# KiCad board srvant-mk2.kicad_pcb (continued)
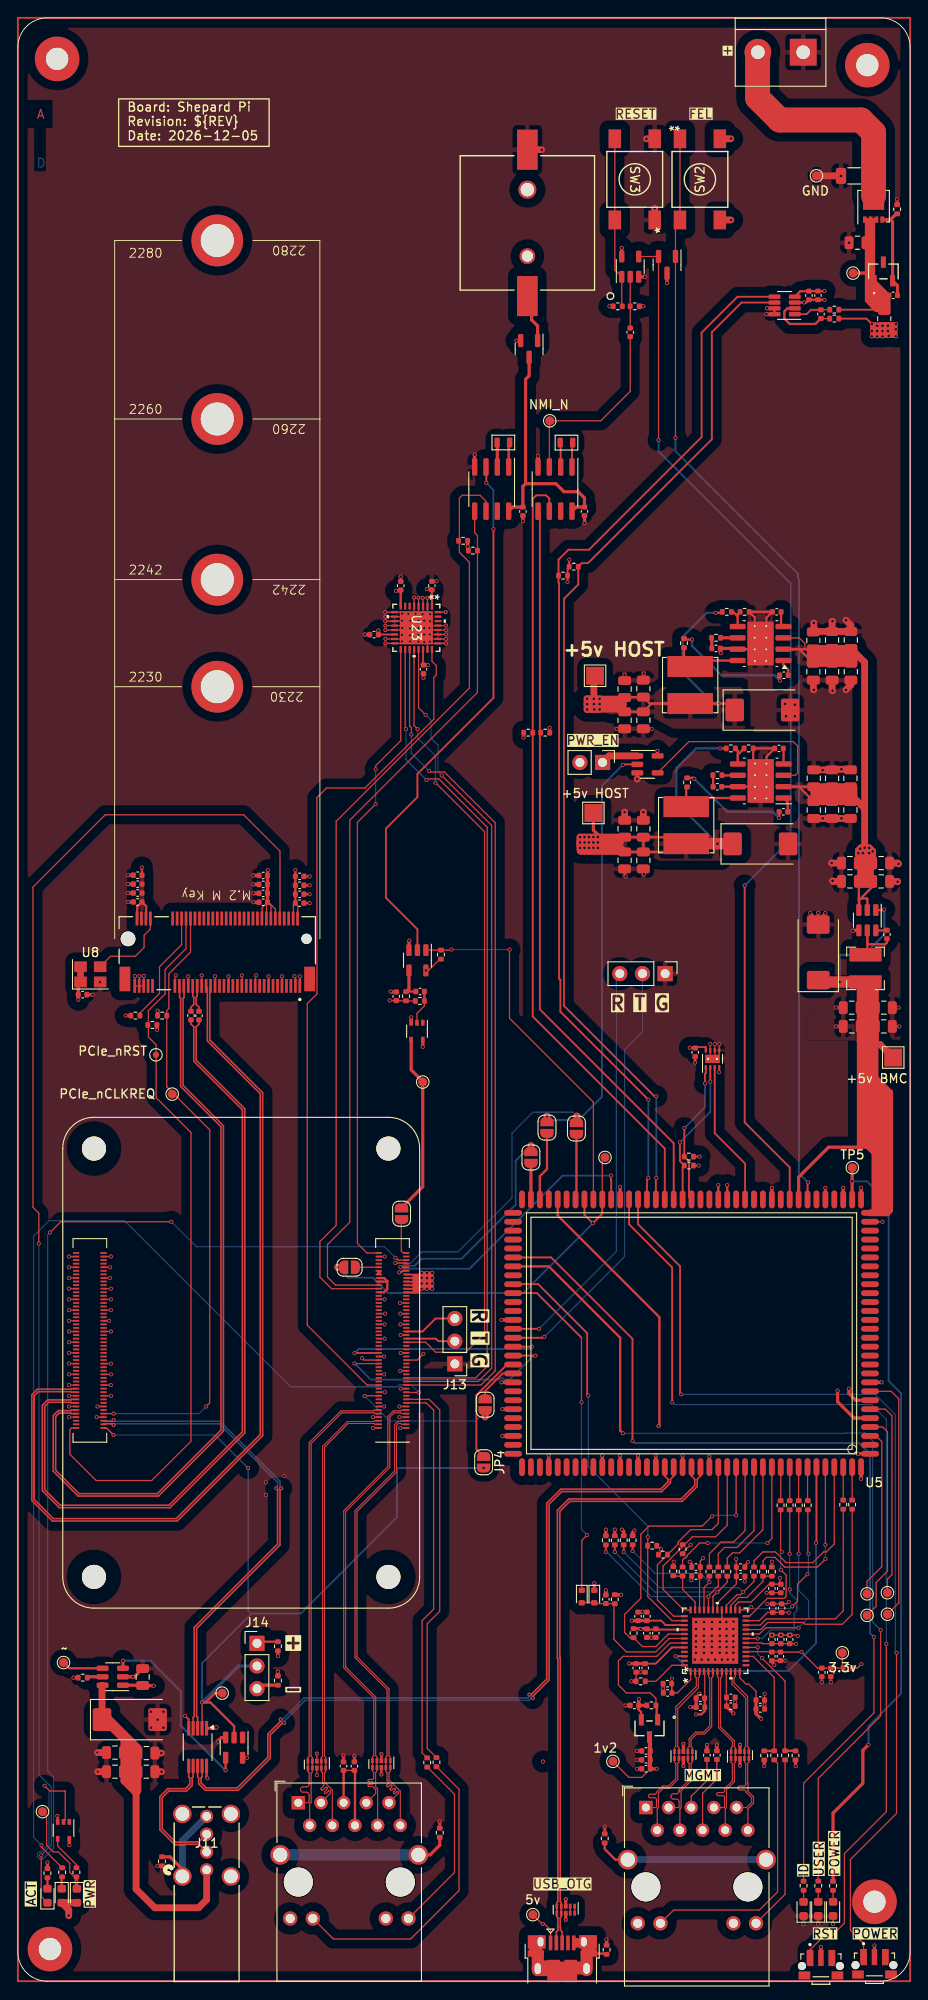
[diagram p0: board, top side]
## Nets (continued)
/bmc/BMC_ID_LED: R14.2 U5.73
/bmc/BMC_SPI1_CLK: U5.68
/bmc/BMC_SPI1_CS: U5.67
/bmc/BMC_SPI1_MISO: U5.70
/bmc/BMC_SPI1_MOSI: U5.69
/bmc/BMC_TEMP_ALERT: U5.42 U22.3
/bmc/BMC_UART0_RX: J13.3 Module1.55 U5.7
/bmc/BMC_UART0_TX: J13.2 Module1.51 U5.5
/bmc/BMC_UART1_RX: Module1.39 U5.44
/bmc/BMC_UART1_TX: Module1.40 U5.45
/bmc/BMC_USB_HOST_N: U5.113 U15.8
/bmc/BMC_USB_HOST_P: U5.112 U15.9
/bmc/BMC_USB_IDDET: U5.78
/bmc/BMC_USB_OTG_N: J4.2 U5.115 U7.5 U7.6
/bmc/BMC_USB_OTG_P: J4.3 U5.116 U7.4 U7.7
/bmc/BMC_USER_LED: R13.2 U5.74
/bmc/EMMC_KEY: D9.1 SW2.1 SW2.2 U5.35
/bmc/JTAG_CK: TP13.1 U5.8
/bmc/JTAG_DI: TP8.1 U5.4
/bmc/JTAG_DO: TP9.1 U5.6
/bmc/JTAG_MS: TP7.1 U5.3
/bmc/NMI_N: C37.2 TP19.1 U6.3
/bmc/RST_KEY: D9.2 U5.37 U25.4
/cm4/+BATT: C32.2 C88.1 D2.3 U6.8 U17.8
/cm4/ARM_RTCK: Module1.47
/cm4/ARM_TCK: Module1.41
/cm4/ARM_TDI: Module1.24
/cm4/ARM_TDO: Module1.45
/cm4/ARM_TMS: Module1.48
/cm4/ARM_TRST: Module1.46
/cm4/DSI1_D3_N: Module1.194
/cm4/DSI1_D3_P: Module1.196
/cm4/ETH_LEDG: Module1.17 R66.2
/cm4/ETH_LEDY: Module1.15 R67.2
/cm4/GLOBAL_EN: JP1.1 TP20.1 U21.4
/cm4/GPIO2: Module1.58
/cm4/GPIO3: Module1.56
/cm4/GPIO10: Module1.44 U5.83
/cm4/GPIO11: Module1.38 U5.84
/cm4/GPIO17: Module1.50
/cm4/HDMI0_CEC: Module1.151
/cm4/HDMI0_CK_N: Module1.190
/cm4/HDMI0_CK_P: Module1.188
/cm4/HDMI0_D0_N: Module1.184
/cm4/HDMI0_D0_P: Module1.182
/cm4/HDMI0_D1_N: Module1.178
/cm4/HDMI0_D1_P: Module1.176
/cm4/HDMI0_D2_N: Module1.172
/cm4/HDMI0_D2_P: Module1.170
/cm4/HDMI0_HOTPLUG: Module1.153
/cm4/HDMI0_SCL: Module1.200
/cm4/HDMI0_SDA: Module1.199
/cm4/HOST_SCL0: Module1.80 R75.1 U17.6
/cm4/HOST_SCL5: Module1.28
/cm4/HOST_SDA0: Module1.82 R76.2 U17.5
/cm4/HOST_SDA5: Module1.31
/cm4/HOST_SPI1_CE0_N: Module1.49 U23.20
/cm4/HOST_SPI1_MISO: Module1.26 U23.24
/cm4/HOST_SPI1_MOSI: Module1.27 U23.21
/cm4/HOST_SPI1_SCLK: Module1.25 U23.19
/cm4/HOST_SPI4_CE0: Module1.54
/cm4/HOST_SPI4_MISO: Module1.34
/cm4/HOST_SPI4_MOSI: Module1.30
/cm4/HOST_SPI4_SCLK: Module1.37
/cm4/HOST_TPM_PIRQ#: Module1.29 U23.18
/cm4/ID_SC: Module1.35
/cm4/ID_SD: Module1.36
/cm4/nEXTRST: Module1.100 U23.17
/cm4/nOCS1: TP18.1 U14.4
/cm4/nPWR_LED: Module1.95 U18.2
/cm4/nRTC_INT: U17.3 U24.2
/cm4/PCIE_CLK_N: J8.53 Module1.112
/cm4/PCIE_CLK_nREQ: J8.52 Module1.102 R61.1 TP15.1
/cm4/PCIE_CLK_P: J8.55 Module1.110
/cm4/PCIE_nRST: J8.50 Module1.109 R56.1 TP14.1
/cm4/PCIE_RX_N: C68.1 Module1.118
/cm4/PCIE_RX_P: C67.1 Module1.116
/cm4/PCIE_TX_N: J8.41 Module1.124
/cm4/PCIE_TX_P: J8.43 Module1.122
/cm4/PCIE_WAKE: J8.54 R68.1
/cm4/PET0_N: C68.2 J8.47
/cm4/PET0_P: C67.2 J8.49
/cm4/SD_CLK: Module1.57
/cm4/SD_DAT0: Module1.63
/cm4/SD_DAT1: Module1.67
/cm4/SD_DAT2: Module1.69
/cm4/SD_DAT3: Module1.61
/cm4/SD_PWR_ON: Module1.75
/cm4/SYNC_IN: Module1.16
/cm4/SYNC_OUT: Module1.18
/cm4/TRD0_N: J9.2 Module1.10 U20.4 U20.7
/cm4/TRD0_P: J9.1 Module1.12 U20.5 U20.6
/cm4/TRD1_N: J9.3 Module1.6 U20.2 U20.9
/cm4/TRD1_P: J9.4 Module1.4 U20.1 U20.10
/cm4/TRD2_N: J9.8 Module1.9 U19.4 U19.7
/cm4/TRD2_P: J9.7 Module1.11 U19.5 U19.6
/cm4/TRD3_N: J9.9 Module1.5 U19.2 U19.9
/cm4/TRD3_P: J9.10 Module1.3 U19.1 U19.10
/cm4/USB2_N: Module1.103 U15.4
/cm4/USB2_P: Module1.105 U15.3
/cm4/USB_OUT_N: J11.2 U15.6
/cm4/USB_OUT_P: J11.3 U15.7
/cm4/USBOTG_ID: J14.2 JP4.2 Module1.101 TP22.1 U13.2 U15.2
/power/BMC_HOST_POWER_EN: JP5.2 U3.2
/power/BMC_I2C_0_SCK: R9.2 U4.5 U5.53
/power/BMC_I2C_0_SDA: R10.2 U4.6 U5.52
/power/PSU_EN: U2.3 U3.4
/power/SENSE_IN+: C2.1 C3.1 D1.1 Q1.1 Q1.2 Q1.3 R2.1 R7.1 TP1.1
/power/SENSE_IN-: C4.1 C5.1 C6.1 C7.1 C8.1 C9.1 C10.1 C11.1 C12.1 C13.1 C106.1 C107.1 C108.1 C109.1 C110.1 C121.1 R2.2 R8.1 U1.2 U1.3 U2.2 U26.2 U26.3
CLK125_OUT: R25.2 U5.120 U12.41
EPHY_25M: U5.129 U12.46
MAC_RESET_OUT_N: D6.1 U5.77
PHY_INT_N: R46.2 U5.76 U12.38
PHY_MDC: R48.2 U5.119 U12.36
PHY_MDIO: R47.2 U5.118 U12.37
RX_CTL: R37.1 U5.121
RXC: R36.1 U5.124
RXD0: R38.1 U5.122
RXD1: R39.1 U5.123
RXD2: R40.1 U5.131
RXD3: R41.1 U5.130
TX_CTL: R23.2 U5.128
TXC: R22.2 U5.125
TXD0: R18.2 U5.126
TXD1: R19.2 U5.127
TXD2: R20.2 U5.133
TXD3: R21.2 U5.132
Net-(BT1-+): BT1.1 D2.1
Net-(C17-Pad1): C17.1 R4.2
Net-(C37-Pad1): C37.1 R77.2 U25.2
Net-(C40-Pad1): C40.1 J5.5
Net-(C44-Pad1): C44.1 J5.6
Net-(C69-Pad2): C69.2 R16.1
Net-(C90-Pad1): C90.1 R59.1 U21.2
Net-(C90-Pad2): C90.2 R57.1 U24.4
Net-(C104-Pad1): C104.1 C105.1 J9.5 J9.6
Net-(C111-Pad2): C111.2 R62.1
Net-(C114-Pad1): C114.1 R63.2
Net-(D1-A): C2.2 D1.2 Q1.4 R1.1
Net-(D3-A): D3.2 R13.1
Net-(D4-A): D4.2 R14.1
Net-(D7-K): D7.1 R60.1
Net-(D8-K): D8.1 R65.1 TP11.1
Net-(D10-A): D10.2 R74.2
Net-(D10-K): D10.1 J8.10
Net-(D11-A): D11.2 R70.1
Net-(FB5-Pad2): FB5.2 J5.SH
Net-(FB8-Pad1): FB8.1 J9.SH
Net-(J2-Pin_1): J2.1 U3.1
Net-(J4-GND): FB1.2 J4.5 J4.6
Net-(J5-LED1-): J5.14 R17.1
Net-(J5-LED2-): J5.12 R15.1
Net-(J8-SUSCLK): J8.68 U8.3
Net-(J9-LED1-): J9.14 R67.1
Net-(J9-LED2-): J9.12 R66.1
Net-(J11-GND): FB4.1 J11.4 J11.5
Net-(J14-Pin_1): J14.1 R54.1
Net-(J14-Pin_3): J14.3 R80.2
Net-(JP1-B): JP1.2 Module1.99
Net-(JP2-A): JP2.1 U5.86
Net-(JP3-A): JP3.1 U5.61
Net-(JP4-A): JP4.1 U5.85
Net-(JP5-A): JP5.1 U5.65
Net-(JP6-A): JP6.1 U5.66
Net-(JP7-A): JP7.1 Module1.92
Net-(Module1A-PI_nLED_Activity): Module1.21 R60.2
Net-(R65-Pad2): R65.2 U18.4
Net-(R73-Pad2): R73.2 SW3.3 SW3.4 U25.1
Net-(U1-BST): C15.1 U1.6
Net-(U1-SW): C15.2 L1.1 U1.5
Net-(U2-BST): C69.1 U2.1
Net-(U2-COMP): R4.1 U2.6
Net-(U2-FB): R5.2 R6.1 U2.5
Net-(U2-SS): C14.1 U2.4
Net-(U2-SW): L2.1 R16.2 U2.8
Net-(U4-IN+): C29.1 R7.2 U4.1
Net-(U4-IN-): C29.2 R8.2 U4.2
Net-(U6-OSCI): U6.1 Y1.2
Net-(U6-OSCO): U6.2 Y1.1
Net-(U7-D1+): U7.1 U7.10
Net-(U7-D1-): U7.2 U7.9
Net-(U12-ISET): R29.2 U12.48
Net-(U12-TX_CTL): R23.1 U12.25
Net-(U12-TXC): R22.1 U12.24
Net-(U12-TXD0): R18.1 U12.19
Net-(U12-TXD1): R19.1 U12.20
Net-(U12-TXD2): R20.1 U12.21
Net-(U12-TXD3): R21.1 U12.22
Net-(U14-EN): U13.4 U14.3
Net-(U14-ILIM): R53.1 U14.5
Net-(U17-OSCI): U17.1 Y3.2
Net-(U17-OSCO): U17.2 Y3.1
Net-(U26-BST): C111.1 U26.1
Net-(U26-COMP): R63.1 U26.6
Net-(U26-FB): R64.2 R69.1 U26.5
Net-(U26-SS): C112.1 U26.4
Net-(U26-SW): L4.1 R62.2 U26.8

Pads without a net: BT1 3 4; D1 3; H4 1; H5 1; H6 1; H7 1; J4 4; J8 5 6 7 8 11 13 17 19 20 22 23 24 25 26 28 29 30 31 32 34 35 36 37 38 40 42 44 46 48 56 58 67 69 M1 M2 M3 M4 S1 S2; J11 6 7 8; Module1 19 62 64 68 70 72 73 76 94 96 97 104 106 111 115 117 121 123 127 128 129 130 133 134 135 136 139 140 141 142 143 145 146 147 148 149 152 154 157 158 159 160 163 164 165 166 169 171 175 177 181 183 187 189 193 195; SW1 3 S1 S2; SW4 3 S1 S2; U5 2 10 11 12 13 14 15 16 17 18 19 20 21 22 23 24 25 26 32 34 38 40 41 43 46 47 62 63 64 71 72 75 79 88 89 91 92 94 95 96 97 98 100 101 102 103 104 106 108 110; U6 7; U12 13 14 45 47; U13 1; U17 7; U18 1; U21 1; U23 6 7 30 31

## Via types
v1: diameter 0.45, hole 0.3, Top to Bottom, 502 vias
v2: diameter 0.45, hole 0.25, Top to Bottom, 73 vias

## Routing (per net, layer and track width the routed paths; a pad name or vN(x,y) marks a point on that pad's centre or on a via; arc(x,y) is an arc through that point)
/BMC ethernet/1V2: length 63.7
  Top w0.13: C34.1 86.38,41.32 v1(86.4,41.3) ; C34.1 C36.1 ; C34.1 84.02,41.32 83.1,40.4 U12.23 ; 70.79,23.89 C126.1 69.91,22.83 68.49,22.83 TP4.1 ; U12.9 79.4,31.82 C51.1 79.42,30.82 C45.1 79.43,30.77 ; C46.1 70.48,35.58 70.5,35.6 ; v1(80.5,47.3) 80.5,46.42 C38.1 C41.1 80.52,44.52 78.4,42.4 U12.30 ; C35.1 85.4,44.48 v1(85.4,45.2) ; C35.1 C39.1 ; C35.1 84.18,44.48 82.2,42.5 80.79,42.5 80.4,42.11 U12.26 ; C48.1 76.97,34.62 U12.4 ; v1(87.2,37.8) 87.18,37.82 C33.1 C43.1 83.48,37.82 83.4,37.9 U12.18 ; 76.97,30.71 C52.1 ; 68.48,35.58 v1(68.5,35.6)
  Top w0.199: U12.39 72.6,39.9 72.1,40.4 C47.1 ; U12.44 73.3,37.4 71.48,35.58 C46.1
  Top w0.25: C52.1 76.98,30.28 76.6,29.9 v1(76,29.9) ; C48.1 76.97,30.71
  Top w0.35: 70.9,27.34 70.9,23.86 ; v1(68.8,40.4) C50.1 C47.1 ; MOSFET1.3 70.79,23.89 ; C46.1 C49.1 68.48,35.58 ; v1(80.2,30) 79.43,30.77 ; C126.1 v1(71.6,23.8)
/BMC ethernet/3.3v_PHY: length 89
  Top w0.13: 70.47,39.51 70.49,39.49 C66.1 ; R48.1 74.5,48 v1(75.4,48.9) ; C57.1 82.72,32.48 81.9,33.3 81.6,33.3 80.9,34 U12.12 ; C62.1 73.27,32.33 C64.1 ; C62.1 73.9,32.3 75.4,33.8 U12.1 ; C62.1 v1(73.3,33.9) ; v1(76.8,47.4) 76.48,47.08 C122.1 C59.1 76.4,45.32 U12.34 ; 69.67,39.51 69.7,39.48 v1(69.8,39.48) ; v1(67.61,43.3) 67.6,43.31 ; R47.1 72.07,48.09 v1(72.07,48.4) 71.67,48.8 R46.1 ; U12.16 81.62,36.92 85.46,36.92 ; 87.15,24.12 v1(87.17,24.1) ; TP10.1 92.4,35.19 FB2.1 91.12,35.1 C54.1 C56.1 89.62,35.08 v1(87.82,36.88) C61.1 ; 69.58,31.58 v1(69.6,31.6) ; 69.03,39.48 R25.1
  Top w0.199: 70.57,39.4 U12.40
  Top w0.25: 69.85,29.25 69.85,30.15 69.55,30.45 69.55,30.85 ; C66.1 70.57,39.4
  Top w0.35: R42.1 67.9,50.4 v1(67.7,50.6) ; R51.1 87.15,24.12 ; v1(66.9,50.6) R34.1 ; C66.1 70.46,39.51 R25.1 ; R79.1 C55.1 69.58,31.58 ; v1(65.9,50.6) R30.1 ; 67.6,43.31 R24.2 ; v1(83.65,24.1) R44.1 ; C57.1 C60.1 82.72,29.98 v1(83.3,29.4) ; D5.1 v1(64.6,44.6)
  In3.Cu (pwr) w0.13: 72.1,48.4 v1(72.07,48.4) ; 87.92,36.98 v1(87.82,36.88) 87.8,36.86 ; v1(76.8,47.4) 76.8,47.5
  In3.Cu (pwr) w0.76: J5.13 80.19,5.05 80.95,4.29 ; v1(87.17,24.1) 86.41,23.34 86.41,5.81 84.88,4.29 80.95,4.29 ; 80.95,4.29 71.67,4.29 J5.11
/BMC ethernet/+3v3_AUX: length 249.4
  Top w0.13: 30.88,118.97 30.88,120.58 C84.1 31.38,120.52 31.38,118.97 ; C91.1 27.37,120.29 27.37,119.16 27.37,119.57 27.4,119.6 ; C91.1 28.1,120.9 28.87,120.13 28.87,119.16 ; C91.1 28.37,120.51 28.37,119.16 ; 27.98,124.48 v1(28,124.5) ; v1(94.53,35.53) 94.1,35.1 FB2.2 ; 27.87,119.16 27.87,123.79 C85.1 ; 40.42,150.9 C97.2 40.42,150.87 ; 43.46,109.81 R57.2 ; R57.2 43.53,109.83 R59.2 ; R57.2 43.48,109.89 ; R57.2 42.44,109.86 C89.1 41.69,109.89 v1(41.68,109.9) ; 46.44,155.86 C95.2 46.41,155.88 ; 76.09,104.74 76.15,104.68 ; 79.9,206.45 v1(79.93,206.47) ; 79.9,197.35 v1(79.93,197.33) ; v1(45.73,113.26) 46.03,113.26 47.42,114.65 ; C96.2 45.47,147.48 ; 6.77,111.72 7.02,111.98
  Top w0.199: R72.2 v1(76.4,92.4) ; 77.1,104.3 77.1,104.68 76.15,104.68 ; v1(56.67,139.35) 56.69,139.37 R11.1 ; v1(59.6,140.45) 59.61,140.44 R12.2 ; v1(61.6,156.8) 61.61,156.81 R9.1 61.61,158.32 R10.1 61.79,159.29 v1(61.8,159.3) ; U23.14 40.42,150.9 ; U23.22 45.41,147.53 ; R71.2 v1(76.3,91.4) ; U23.1 46.41,155.88
  Top w0.25: R64.1 78.84,153.34 v1(78.2,153.34) ; v1(13.9,124.8) 13.91,124.79 C92.1 ; v1(75.3,104.6) 75.34,104.56 C82.1 75.83,104.64 ; U4.4 87.7,189.37 C30.1 C31.1 90.37,189.37 v1(90.4,189.4) ; 67.6,143.1 68,143.5 C118.1 68.05,143.89 C116.1 70.82,143.16 L4.2 ; v1(31.1,124.5) C83.1 C84.1 ; L4.2 v1(78.5,143.16) 79.61,143.16 C120.1 ; L4.2 71.03,143.16 C117.1 C119.1 ; v1(25.68,25.03) U13.5 ; 6.77,109.98 v1(6.77,109.98) ; 14.38,118.97 14.38,120.46 C99.1 13.38,120.4 13.38,118.97 ; U23.8 C94.1
  Top w0.35: R68.2 v1(12.08,108.2) ; R74.1 v1(3.32,13.31) ; 15.6,107.18 v1(15.6,106.6) ; 6.77,109.98 C58.1 6.77,111.72 ; C91.1 27.98,124.48 ; R77.1 v1(70.1,187.68) ; v1(45.85,156) 46.29,156 C95.2 ; U3.5 71.67,137.33 v1(71.67,137.88) ; R75.2 50.41,160.38 ; 50.41,160.38 R76.1 ; 50.41,160.38 v1(50.41,160.75) ; v1(22.26,28.45) 22.16,28.34 U15.1 ; C94.1 42.82,155.8 v1(42.38,155.8) ; U21.5 v1(45.38,104.7) ; 15.67,108.17 v1(15.67,108.75) ; v1(5.77,15.26) U18.5 ; v1(45.95,147.48) C96.2 ; R73.1 v1(66.3,187.68) ; R54.2 v1(29.15,36.43) ; v1(40.4,151.35) C97.2 ; v1(55.88,183.84) D2.2 ; U25.5 v1(67.68,194.22)
  Top w0.76: 7.02,111.98 7.02,113.68 ; v1(5.7,7.34) 5.7,8.01 D7.2 D8.2 ; v1(64.55,143.7) 64.55,146.13 TP23.1 ; SW2.3 79.9,197.35 ; SW2.4 79.9,206.45 ; v1(65.2,142.5) v1(63.8,142.5) v1(63.8,143.7) v1(65.2,143.7) ; v1(63.8,143.1) v1(65.2,143.1)
  Top w1.27: v1(64.55,143.1) 64.85,143.4 67.55,143.4 ; v1(64.55,143.1) 64.85,142.8 67.45,142.8 ; v1(64.55,143.1) 67.6,143.1
  In3.Cu (pwr) w0.199: v1(75.3,104.6) 75.2,104.7 ; 76.3,92.3 v1(76.4,92.4)
  In3.Cu (pwr) w0.35: 45.5,156.1 45.6,156 v1(45.85,156)
  In3.Cu (pwr) w1.27: 33.54,4.33 38.54,4.33 J9.13 ; v1(58.85,24.61) 51.8,17.56 51.8,6.79 49.29,4.28 28.14,4.28 26.2,6.22 ; v1(22.26,28.45) v1(25.68,25.03) 26.54,24.17 26.54,6.56 26.2,6.22 ; 26.2,6.22 25.59,5.61 7.86,5.61 6.13,7.34 v1(5.7,7.34) 5.7,7.77 3.32,10.16 v1(3.32,13.31) 3.37,13.31 5.32,15.26 v1(5.77,15.26) 5.82,15.31 ; 26.2,6.22 26.53,5.89 ; 36.1,4.33 32.84,4.33 30.52,6.65 J9.11
  Bottom w0.25: v1(78.2,153.34) 77.2,153.34 74.5,150.64 74.5,146.64 77.97,143.16 v1(78.5,143.16)
  vias: v1(64.6,142.5)
/bmc/3.3v_BMC: length 88.5
  Top w0.35: 93.5,91.3 v1(93.5,89.63) U5.30 ; v1(95.33,26.5) 94.7,25.87 94.7,22.18 91.36,18.84 R70.2
  Bottom w0.199: v1(93.5,89.63) 95.17,89.63 97.58,87.22 97.58,67.28 98.98,65.88 98.98,32.23 95.33,28.58 v1(95.33,26.5)
/bmc/+5v_BMC: length 192.1
  Top w0.25: v1(97.1,120.09) 97.04,120.03 96.15,120.03 ; v1(92.1,111.96) L1.2 94.4,111.36 ; 89.7,112.38 90.11,111.96 ; 95.2,104.59 95.29,104.5 95.44,104.5
  Top w0.35: U5.36 87.5,90.1 90.85,93.46 95.44,93.46 ; 95.44,104.5 95.44,104.3
  Top w0.76: 96.06,105.85 96.06,92.97 ; L1.2 96.1,110.86 C19.1 C21.1 ; L1.2 94.9,111.86 94.9,105.18 ; L1.2 95.4,111.56 95.4,105.08 ; TP16.1 96.64,104.96 96.1,104.96 ; 96.1,104.96 C21.1 ; 96.1,104.96 95.44,104.3 ; 95.31,100.67 97.57,98.41 ; 96.06,99.08 96.06,86.2 ; C21.1 95.44,106.33 95.44,93.46 97.7,91.2 97.7,86.4 97.4,86.1 U5.28 ; 97.71,99.59 97.71,86.71 ; 95.44,101.81 97.69,99.55 ; 97.07,99.08 97.07,86.2 ; 94.41,106.49 94.41,93.61 ; 94.4,111.36 C22.1 C18.1 94.4,105.39 95.2,104.59 ; 96.69,99.08 96.69,86.2 ; 95.44,101.17 97.69,98.92 ; 95.5,104.88 95.5,106.92 ; 94.92,106.61 94.92,93.74
  Top w1.27: 90.11,111.96 L1.2
  Bottom w0.25: v1(92.1,111.96) 92.1,114.99 94.8,114.99 97.1,117.29 v1(97.1,120.09)
/bmc/+5V_BMC_OTG: length 4.2
  Top w0.13: TP17.1 58.74,6.43 v2(58.84,6.43) 59.02,6.43 59.7,5.74 J4.1
  Bottom w0.13: v2(58.84,6.43) 58.84,6.33
/cm4/+1.8v: length 1.6
  Top w0.13: 40.52,79.18 40.52,79.58 ; 40.62,79.18 40.62,79.58 ; Module1.88 Module1.90 ; 40.35,79.18 40.35,79.58
/cm4/+3.3v_HOST: length 4
  Top w0.25: 40.46,78.79 41.06,78.79 41.4,78.44 ; 41.4,78.44 41.34,78.39 40.46,78.39 ; 41.4,78.44 41.4,77.56 41.03,77.19 40.46,77.19
/cm4/+5v_HOST: length 108
  Top w0.13: 13.96,33.16 C70.1 14.01,33.11
  Top w0.199: v1(45.25,77.58) 44.85,77.18 43.45,77.18 ; v1(45.25,77.58) v1(45.25,78.18) ; v1(45.25,77.58) 43.45,77.58 ; v1(45.25,77.58) v1(46.45,77.58) ; 43.45,78.78 45.2,78.78 ; v1(45.25,78.18) 45.05,77.98 43.45,77.98 ; v1(45.25,78.18) v1(45.25,79.38) 45.05,79.18 43.45,79.18 ; v1(45.25,78.82) 44.8,78.38 43.45,78.38
  Top w0.25: 44.45,79.08 44.45,77.38 ; 44.75,79.08 44.75,77.38 ; 44.35,79.08 44.35,77.38 ; C27.1 C26.1 ; C26.1 C25.1 ; C26.1 73.97,126.54 L2.2 74.17,128.19 C25.1 ; 44.95,79.08 44.95,77.38 ; C25.1 C23.1 ; 44.65,79.08 44.65,77.38 ; 46.45,77.78 45.25,77.78 ; 45.45,79.38 45.45,78.18 ; v1(45.85,77.58) 46.05,77.78 46.05,79.38 ; 80.07,127.46 C28.1 ; 44.55,78.98 44.55,77.28 ; v1(46.45,78.18) v1(45.25,78.18) ; v1(45.25,79.38) v1(46.45,79.38) v1(46.45,77.58) ; 45.15,79.38 45.15,77.58 ; R5.1 v1(78.7,138.14) ; 46.25,79.38 46.25,78.18 ; 14,33.15 C70.1 ; v1(46.45,78.78) 45.29,78.78 v1(45.25,78.82) 45.2,78.78 ; 46.45,77.98 45.25,77.98 ; 45.65,79.38 45.65,78.18 ; v1(45.85,78.78) v1(45.85,79.38) v1(45.85,78.18) v1(45.85,78.78)
  Top w0.35: U14.1 13.96,33.16 ; C23.1 67.99,128.2 ; TP2.1 64.5,128.99 65.3,128.19 ; v1(15.23,33.11) 14.01,33.11
  Top w0.76: 67.5,126.6 63.06,126.6 ; 67.99,128.2 v1(65,128.2) v1(64.5,128.2) v1(64,128.2) v1(63.5,128.2) v1(63,128.2) 63,127.61 v1(62.99,127.6) 63,127.59 63,127.1 ; 63.1,127 67.54,127 C27.1 ; 67.54,127.6 v1(65,127.6) v1(64.5,127.6) v1(64,127.6) v1(63.5,127.6) 63.1,127.6 ; 63,127.8 63,126.7
  Top w1.27: 80.07,127.46 v1(78.4,127.46) L2.2
  Bottom w0.25: v1(78.4,127.46) 73.8,132.06 73.8,135.94 76,138.14 v1(78.7,138.14)
  vias: v1(62.99,127) v1(63.5,127) v1(64,127) v1(64.5,127) v1(65.01,127)
/cm4/+5v_HOST_VBUS: length 60.6
  Top w0.35: 9.5,32.79 U14.6
  Top w0.76: 11.88,27.51 13.45,25.94 C75.1 13.45,21.33 13.22,21.1 ; 11.88,27.51 10.09,29.31 C74.1 9.44,33.1 U14.6 ; 11.88,27.51 11.88,22.44 13.22,21.1 ; 10.52,28.4 12.32,26.6 ; 13.5,26.12 10.14,29.49 ; 12.32,22.17 12.32,26.4 ; 13.22,21.1 13.25,21.08 13.25,10.33 15.35,8.23 20.24,8.23 21.16,9.14 J11.1 ; 12.92,21.97 12.92,26.2
/power/VIN: length 26.7
  Top w2.79: 82.9,216.05 82.9,211.03 85.37,208.55 94.5,208.55 95.9,207.15 95.9,200.05
GND: length 305.1
  Top w0.13: U12.29 78.9,38.9 U12.49 ; v2(33.51,25.51) U20.3 ; v2(43.07,153.25) 42.92,153.4 U23.9 41.16,153.4 v2(41.15,153.39) ; 47.99,149.9 U23.25 46.37,149.9 v2(46.17,150.1) 45.91,149.84 U23.23 ; 78.6,104.3 78.6,103.6 ; 9.63,72.8 v1(10.43,72.8) ; 40.37,64.4 v1(41.05,64.4) ; 89.2,151.24 C121.2 ; 43.58,70.39 v1(42.9,70.39) ; 17.63,111.42 17.63,112.63 v1(17.7,112.7) ; v2(43.05,150.13) 42.82,149.9 U23.16 41.2,149.9 v2(41.19,149.9) ; 43.51,76 v1(42.83,76) ; 20.63,111.42 20.63,112.67 v1(20.6,112.7) ; U22.7 v1(77.6,105.03) 77.61,105.04 ; D3.1 v1(89.7,6.4) ; Module1.144 v1(5.73,70.4) ; v2(45.38,155) 45.41,154.98 U23.3 45.41,153.22 v2(45.36,153.17) ; 44.41,151.9 U23.33 ; 44.41,151.9 U23.12 v2(41.19,151.9) ; 44.41,151.9 U23.5 44.41,155.04 v2(44.39,155.05) ; U23.33 43.41,150.4 U23.15 v2(41.19,150.4) ; U23.33 44.91,151.4 U23.28 47.97,151.4 ; U23.33 45.41,150.9 U23.27 47.96,150.9 ; U23.33 45.91,150.4 U23.26 47.97,150.4 ; U23.33 43.91,152.4 U23.11 41.17,152.4 v2(41.17,152.41) ; U23.33 44.91,151.9 U23.29 v2(48,151.9) ; 92.79,194.8 v1(93.15,194.8) 92.81,194.8 ; 43.57,66.4 v1(42.89,66.4) ; v1(19.1,112.6) 19.13,112.57 19.13,111.42 ; v1(31,112.6) 31.13,112.47 31.13,111.42 ; 76.01,30.71 C52.2 76.02,30.71 ; v1(87.4,38.68) 87.3,38.78 v1(86.53,38.78) v1(85.52,38.78) v1(84.5,38.78) 84.5,38.78 ; 9.63,68 v1(10.43,68) ; v1(26.7,112.7) 26.63,112.63 26.63,111.42 ; Module1.108 v1(5.73,63.2) ; v2(44.9,152.44) 44.91,152.45 U23.4 44.91,155.02 v2(44.9,155.03) ; v1(86.4,42.5) 86.18,42.28 C34.2 84.01,42.28 v1(83.99,42.26) ; Module1.192 v1(5.73,80) ; v1(31.6,112.6) 31.63,112.57 31.63,111.42 ; 43.58,72.4 v1(42.9,72.4) ; U22.5 78.6,104.97 v1(78.63,104.99) ; J8.75 J8.71 ; U23.32 47.95,153.4 v2(47.95,153.4) ; R29.1 69.3,33.61 C49.2 v1(69.8,34.62) ; 40.42,72 v1(41.1,72) ; 9.53,80 v1(10.33,80) ; 9.63,76.4 v1(10.43,76.4) ; Module1.162 v1(5.73,74) ; 9.63,64.4 v1(8.93,64.4) ; D4.1 v1(88.06,6.4) ; 40.42,81.2 v1(41.1,81.2) ; Module1.150 v1(5.73,71.6) ; 9.63,81.2 v1(10.43,81.2) ; v1(91.11,33.5) 91.1,33.51 C54.2 ; 29.63,111.42 29.63,112.57 v1(29.6,112.6) ; v1(23.6,112.6) 23.63,112.57 23.63,111.42 ; 25.13,111.42 25.13,112.67 v1(25.1,112.7) ; Module1.198 v1(5.73,81.2) ; 28.13,111.42 28.13,112.57 v1(28.1,112.6) ; Module1.174 v1(5.73,76.4) ; 22.13,111.42 22.13,112.57 v1(22.1,112.6) ; v1(46.92,156.88) 46.9,156.85 C95.1 46.38,156.87 ; v1(33.53,23.08) 33.51,23.1 U20.8 ; 9.63,65.6 v1(10.43,65.6) ; v1(80.38,31.3) C51.2 ; v2(44.87,151.62) 44.65,151.4 U23.13 41.2,151.4 v2(41.19,151.4) ; D11.1 v1(91.36,6.4) ; Module1.132 v1(5.73,68) ; v1(83.68,31) C60.2 83.68,32.18 v1(83.7,32.2) ; Module1.180 v1(5.73,77.6) ; 40.37,70 v1(41.05,70) ; v1(42.87,61.99) 43.54,61.99 43.55,62 ; 43.56,73.6 v1(42.88,73.6) ; 40.37,68 v1(41.05,68) ; Module1.120 v1(5.73,65.6) ; C62.2 72.31,32.33 ; v2(45.92,155) 45.91,154.99 U23.2 45.91,152.84 v2(45.53,152.46) ; C48.2 76.01,31.87 ; v2(43.99,152.44) 43.52,152.9 U23.10 41.2,152.9 v2(41.19,152.89) ; U5.27 v1(96.9,85.1) ; 9.63,63.2 v1(8.83,63.2) ; 58.7,205.23 v1(58.72,205.2) ; 9.63,75.2 v1(10.43,75.2) ; 70.27,190.98 v1(70.28,190.98) ; 40.44,66 v1(41.12,66) ; Module1.156 v1(5.73,72.8) ; 77.6,104.3 77.6,103.6 ; R33.2 73.45,46.95 v1(73.5,47) ; 40.47,74.8 v1(41.15,74.8) ; U8.2 v1(9.22,111.95) ; Module1.168 v1(5.73,75.2) ; v1(72.31,32.8) C64.2 ; C94.2 42.91,157.39 v1(42.9,157.4) ; 43.45,64.4 v1(42.77,64.4) ; 38.91,150.89 v1(38.9,150.9) ; Module1.114 v1(5.73,64.4) ; 92.09,202.29 v1(92.25,202.29) 92.25,202.25 92.2,202.2 ; 9.63,77.6 v1(10.43,77.6) ; v1(13.63,112.63) 13.63,111.42 ; 40.42,73.6 v1(41.1,73.6) ; 9.63,69.2 v1(10.43,69.2) ; 43.55,74.8 v1(42.87,74.8) ; Module1.186 v1(5.73,78.8) ; v1(78.12,104.99) 78.1,104.97 U22.6 ; v1(90.1,33.5) C56.2 ; 80.38,30.82 C45.2 ; v1(83.92,43.52) C39.2 ; 40.49,62 v1(39.81,62) ; 43.45,63.2 v1(42.77,63.2) ; Module1.126 v1(5.73,66.8) ; R50.2 v1(84.5,47) ; 9.53,78.8 v1(10.33,78.8) ; v1(45.46,146.05) C96.1 ; 9.63,66.8 v1(10.43,66.8) ; 40.49,63.2 v1(39.81,63.2) ; v1(78.6,101.86) U22.4 ; 8.93,25.61 v2(8.9,25.64) ; 43.53,68.39 v1(42.85,68.39) ; v1(14.13,112.65) 14.13,111.42 ; Module1.138 v1(5.73,69.2) ; 78.12,104.28 78.12,103.81 ; 40.42,76.4 v1(41.1,76.4) ; v1(13.13,112.63) 13.13,111.42
  Top w0.199: v1(81.83,46.96) 81.48,46.61 C38.2 ; v1(18.75,29.73) 19.15,29.33 U15.5 ; v1(84.77,35.42) 84.5,35.69 C63.2 C61.2 86.02,35.92 v1(86.03,35.91) ; C43.2 v1(85.52,38.78) ; v1(71,38.5) 70.51,38.5 C66.2 ; 71.48,38.5 C65.2 ; C59.2 75.52,44.96 v1(75.48,44.93) ; C122.2 75.52,46.78 v1(75.3,47) ; C33.2 v1(86.53,38.78) ; v1(69.39,23.8) 69.44,23.8 ; v1(81.45,44.8) 81.48,44.83 C41.2 ; Module1.161 v1(10.23,74)
  Top w0.25: C116.2 70.1,146.48 v1(70.15,146.53) ; v1(4.43,18.52) 4.47,18.48 4.47,17.86 ; v1(70.15,124.05) 70.15,124.59 C26.2 ; 80.58,149.34 U26.7 82.56,149.25 U26.9 ; C84.2 v1(32.7,120.8) ; C24.2 89.7,118.8 v1(88.8,119.7) ; C24.2 v1(89.7,119.7) ; C24.2 89.7,118.9 v1(90.5,119.7) ; v1(22.46,26.85) 22.46,26.95 ; C117.2 71.01,140.34 v1(71.04,140.31) ; C18.2 v1(91.7,106.99) ; U2.9 82.41,136.63 R6.2 C14.2 83.9,137.22 U2.9 ; v1(21.25,22.73) 21.15,22.83 U15.10 ; v1(67.1,140.31) 67.13,140.34 C119.2 ; C49.2 C46.2 ; C102.2 v1(32.7,121.8) ; C82.2 v1(75.91,102.93) ; v1(68.12,123.8) 68,123.92 C27.2 ; U19.8 v2(40.74,23.16) ; U26.9 83.88,152.77 84.55,153.44 C112.2 R69.2 82.58,152.82 U26.9 ; C42.2 v1(32.7,122.8) ; C83.2 v1(32.7,123.8) ; 76.01,31.87 v1(76.37,32.23) ; U19.3 v2(40.74,25.45) ; v1(67.99,146.4) 68,146.39 C118.2 ; v1(90.4,188.4) 90.39,188.41 C31.2 C30.2 88.34,188.1 v1(88.1,188.1) U4.3 ; U4.7 U4.8 ; C105.2 v2(36.5,25.29) ; 16.56,30.21 16.23,29.89 16.23,29.31 v1(15.66,29.31) ; 12.88,34.11 v2(12.89,34.1) ; 93.65,117.75 v1(93.6,117.7) ; v2(47.28,17.91) 47.28,17.07 ; U2.9 82.61,133.85 U2.7 78.89,133.85 C17.2 ; v1(80.38,31.3) 80.38,30.82 ; C21.2 v1(98.8,106.99) ; C104.2 v2(37.72,25.27) ; C19.2 v1(98.7,109.09) ; C22.2 v1(91.7,109.09) ; v1(15.65,12.92) FB4.2 ; v2(65.77,17.32) FB5.1
  Top w0.35: U7.8 v2(61.4,6.87) ; U21.3 v1(44.08,108) ; v1(65.96,4.67) 65.98,4.65 FB1.1 ; 89.5,202.2 92.16,202.2 v1(92.25,202.29) ; 22.46,26.95 22.82,27.31 U13.3 ; v1(12.37,120.93) C99.2 ; v1(69.39,25.8) C124.2 ; C32.1 v1(63.5,163.4) ; U5.107 v1(67.5,58.9) ; 80.58,149.34 C114.2 78.73,148.87 v1(78.79,148.81) ; U1.4 93.65,117.75 ; C40.2 v2(77.22,26.47) ; C58.2 v1(8.38,110.55) ; v1(96,4) SW1.2 ; C48.2 76.01,30.71 ; U4.8 v1(83.9,186.8) ; U5.134 v1(94.5,56.3) ; U5.93 v1(54.3,61.1) ; U5.31 v1(92.5,88.9) ; C91.2 v1(26.4,120.9) ; U5.90 v1(54.3,64.1) ; v1(83.95,187.45) U4.7 ; C85.2 v1(26.4,123.9) ; C97.1 38.91,150.89 ; U10.8 v2(80.93,26.51) ; U5.111 v1(71.5,58.9) ; v1(72.75,190.28) D9.3 ; v1(12.33,121.93) C98.2 ; U5.117 v1(77.5,58.8) ; C89.2 41.83,110.85 v1(41.78,110.9) ; v1(90,3.82) SW4.2 ; U5.105 v1(65.5,58.9) ; U6.4 v1(58.29,170.9) ; U5.87 v1(54.2,67.1) ; 70.51,38.5 71.48,38.5 ; v1(56.6,163.6) C88.2 ; U5.80 v1(54.2,74.1) ; C87.2 v1(26.4,121.9) ; C44.2 v2(78.34,26.45) ; U5.9 v1(96.8,67.1) ; U5.29 v1(94.5,88.9) ; v1(12.33,122.93) C93.2 ; U17.4 v1(51.19,171.06) ; U25.3 70.27,190.98 ; 92.2,202.34 92.2,202.2 ; U7.3 v2(61.4,9.21) ; U5.114 v1(74.5,58.9) ; U14.2 12.88,34.11 ; C50.2 C47.2 ; U11.8 v2(74.59,26.59) ; 13.05,34.1 C70.2 ; 74.59,24.97 v2(74.59,24.11) ; v1(68.75,33.6) R29.1 ; v1(69.39,24.8) C125.2 ; U24.3 43.83,116.55 v1(43.88,116.6) ; v1(94.15,59.1) U5.1 ; U10.3 v2(80.93,24.15) ; U5.56 v1(67.5,89) ; R53.2 v1(6.23,34.01) ; v1(12.33,123.93) C92.2 ; 68.9,49.91 68.9,50.3 v1(69.1,50.5) ; C53.2 v1(65.9,43.8) ; R1.2 v1(98.54,199.66) ; U5.109 v1(69.5,58.9) ; 69.44,23.8 C126.2 ; v1(84.5,88.9) U5.39 ; U5.99 v1(59.5,58.9) ; C86.2 v1(26.4,122.9) ; v1(75.36,30.71) 76.02,30.71 ; 72.31,32.33 C64.2 ; C55.2 v1(68.1,30.9) ; R80.1 v1(29.15,34.68) ; U3.3 69.42,134.73 ; U5.33 v1(90.5,88.9)
  Top w0.76: C75.2 v1(16.08,25.56) ; C25.2 v1(70.1,131) ; v1(92.25,202.29) 89.59,202.29 89.5,202.2 ; v1(92.8,144.7) 93.35,145.25 C108.2 ; C10.2 98.61,125.29 v1(98.7,125.2) ; C107.2 91.25,152.35 v1(91.3,152.4) ; v1(71.37,198.65) SW3.2 ; C77.2 v1(16.1,23.48) ; v1(85.98,143.14) 86.56,142.56 C120.2 ; C120.2 86.56,142.22 v1(86.08,141.74) ; C120.2 86.56,142.52 v1(87.08,143.04) ; C120.2 86.56,142.25 v1(87.08,141.74) ; v1(91.3,144.6) 91.25,144.65 C106.2 ; C4.2 91.36,123.24 v1(91.3,123.3) ; v1(91.2,125.3) 91.21,125.29 C6.2 ; v1(70.45,206.45) SW3.1 ; v1(92.8,152.5) 93.35,151.95 C109.2 89.2,151.24 v1(89.2,152.2) ; C8.2 98.56,123.24 v1(98.6,123.2) ; C9.2 C12.2 91.31,135.8 v1(92.3,135.8) 93.24,135.8 C11.2 ; v1(92.3,130.3) 93.29,130.3 C13.2 C5.2 ; 9.94,23.48 v2(8.95,23.48) ; BT1.2 58.7,205.23 ; v1(89.2,144.7) 89.15,144.75 C110.2 ; 69.42,134.73 v1(69.4,134.7) ; C23.2 v1(68,131) ; 9.94,25.61 8.93,25.61
  vias: v1(14.92,30.2) v1(14.92,28.4) v1(16.32,30.2) v1(16.32,28.4) v1(27.8,55.9) v1(27.8,54.5) v1(29.88,56.6) v1(70,41.4) v1(75.87,36.04) v1(76,40.25) v1(75.99,39.47) v1(75.99,38.71) v1(75.99,38.07) v1(75.99,37.44) v1(75.99,36.8) v1(76.63,36.04) v1(76.9,40.25) v1(76.88,39.47) v1(76.88,38.71) v1(76.88,38.07) v1(76.88,37.44) v1(76.88,36.8) v1(77.39,36.04) v1(77.8,40.25) v1(77.77,39.47) v1(77.77,38.71) v1(77.77,38.07) v1(77.77,37.44) v1(77.77,36.8) v1(78.15,36.04) v1(78.7,40.25) v1(78.66,39.47) v1(78.66,38.71) v1(78.66,38.07) v1(78.66,37.44) v1(78.66,36.8) v1(78.91,36.04) v1(79.4,40.25) v1(79.42,39.47) v1(79.42,38.71) v1(79.42,38.07) v1(79.42,37.44) v1(79.42,36.8) v1(79.55,36.04) v1(80.2,40.3) v1(80.18,39.47) v1(80.18,38.71) v1(80.18,38.07) v1(80.18,37.44) v1(80.18,36.8) v1(80.18,36.04) v1(90.2,135.7) v1(90.2,130.3) v2(43.05,152.46) v2(43.05,150.86) v2(43.07,151.62) v2(43.76,153.22) v2(43.96,151.6) v2(43.96,150.81) v2(43.96,150.13) v2(44.57,153.22) v2(44.87,150.86) v2(44.9,150.1) v2(45.53,151.62) v2(45.53,150.89) v2(45.53,150.05) v2(46.14,151.62) v2(46.2,153.17) v2(46.2,152.39) v2(46.17,150.91) v2(47.97,151.4) v2(47.97,150.91) v2(47.97,150.4) v2(48,149.9)